# Altium PCB Graviton_11JAN15.PcbDoc (part 6 of 11) (continued)
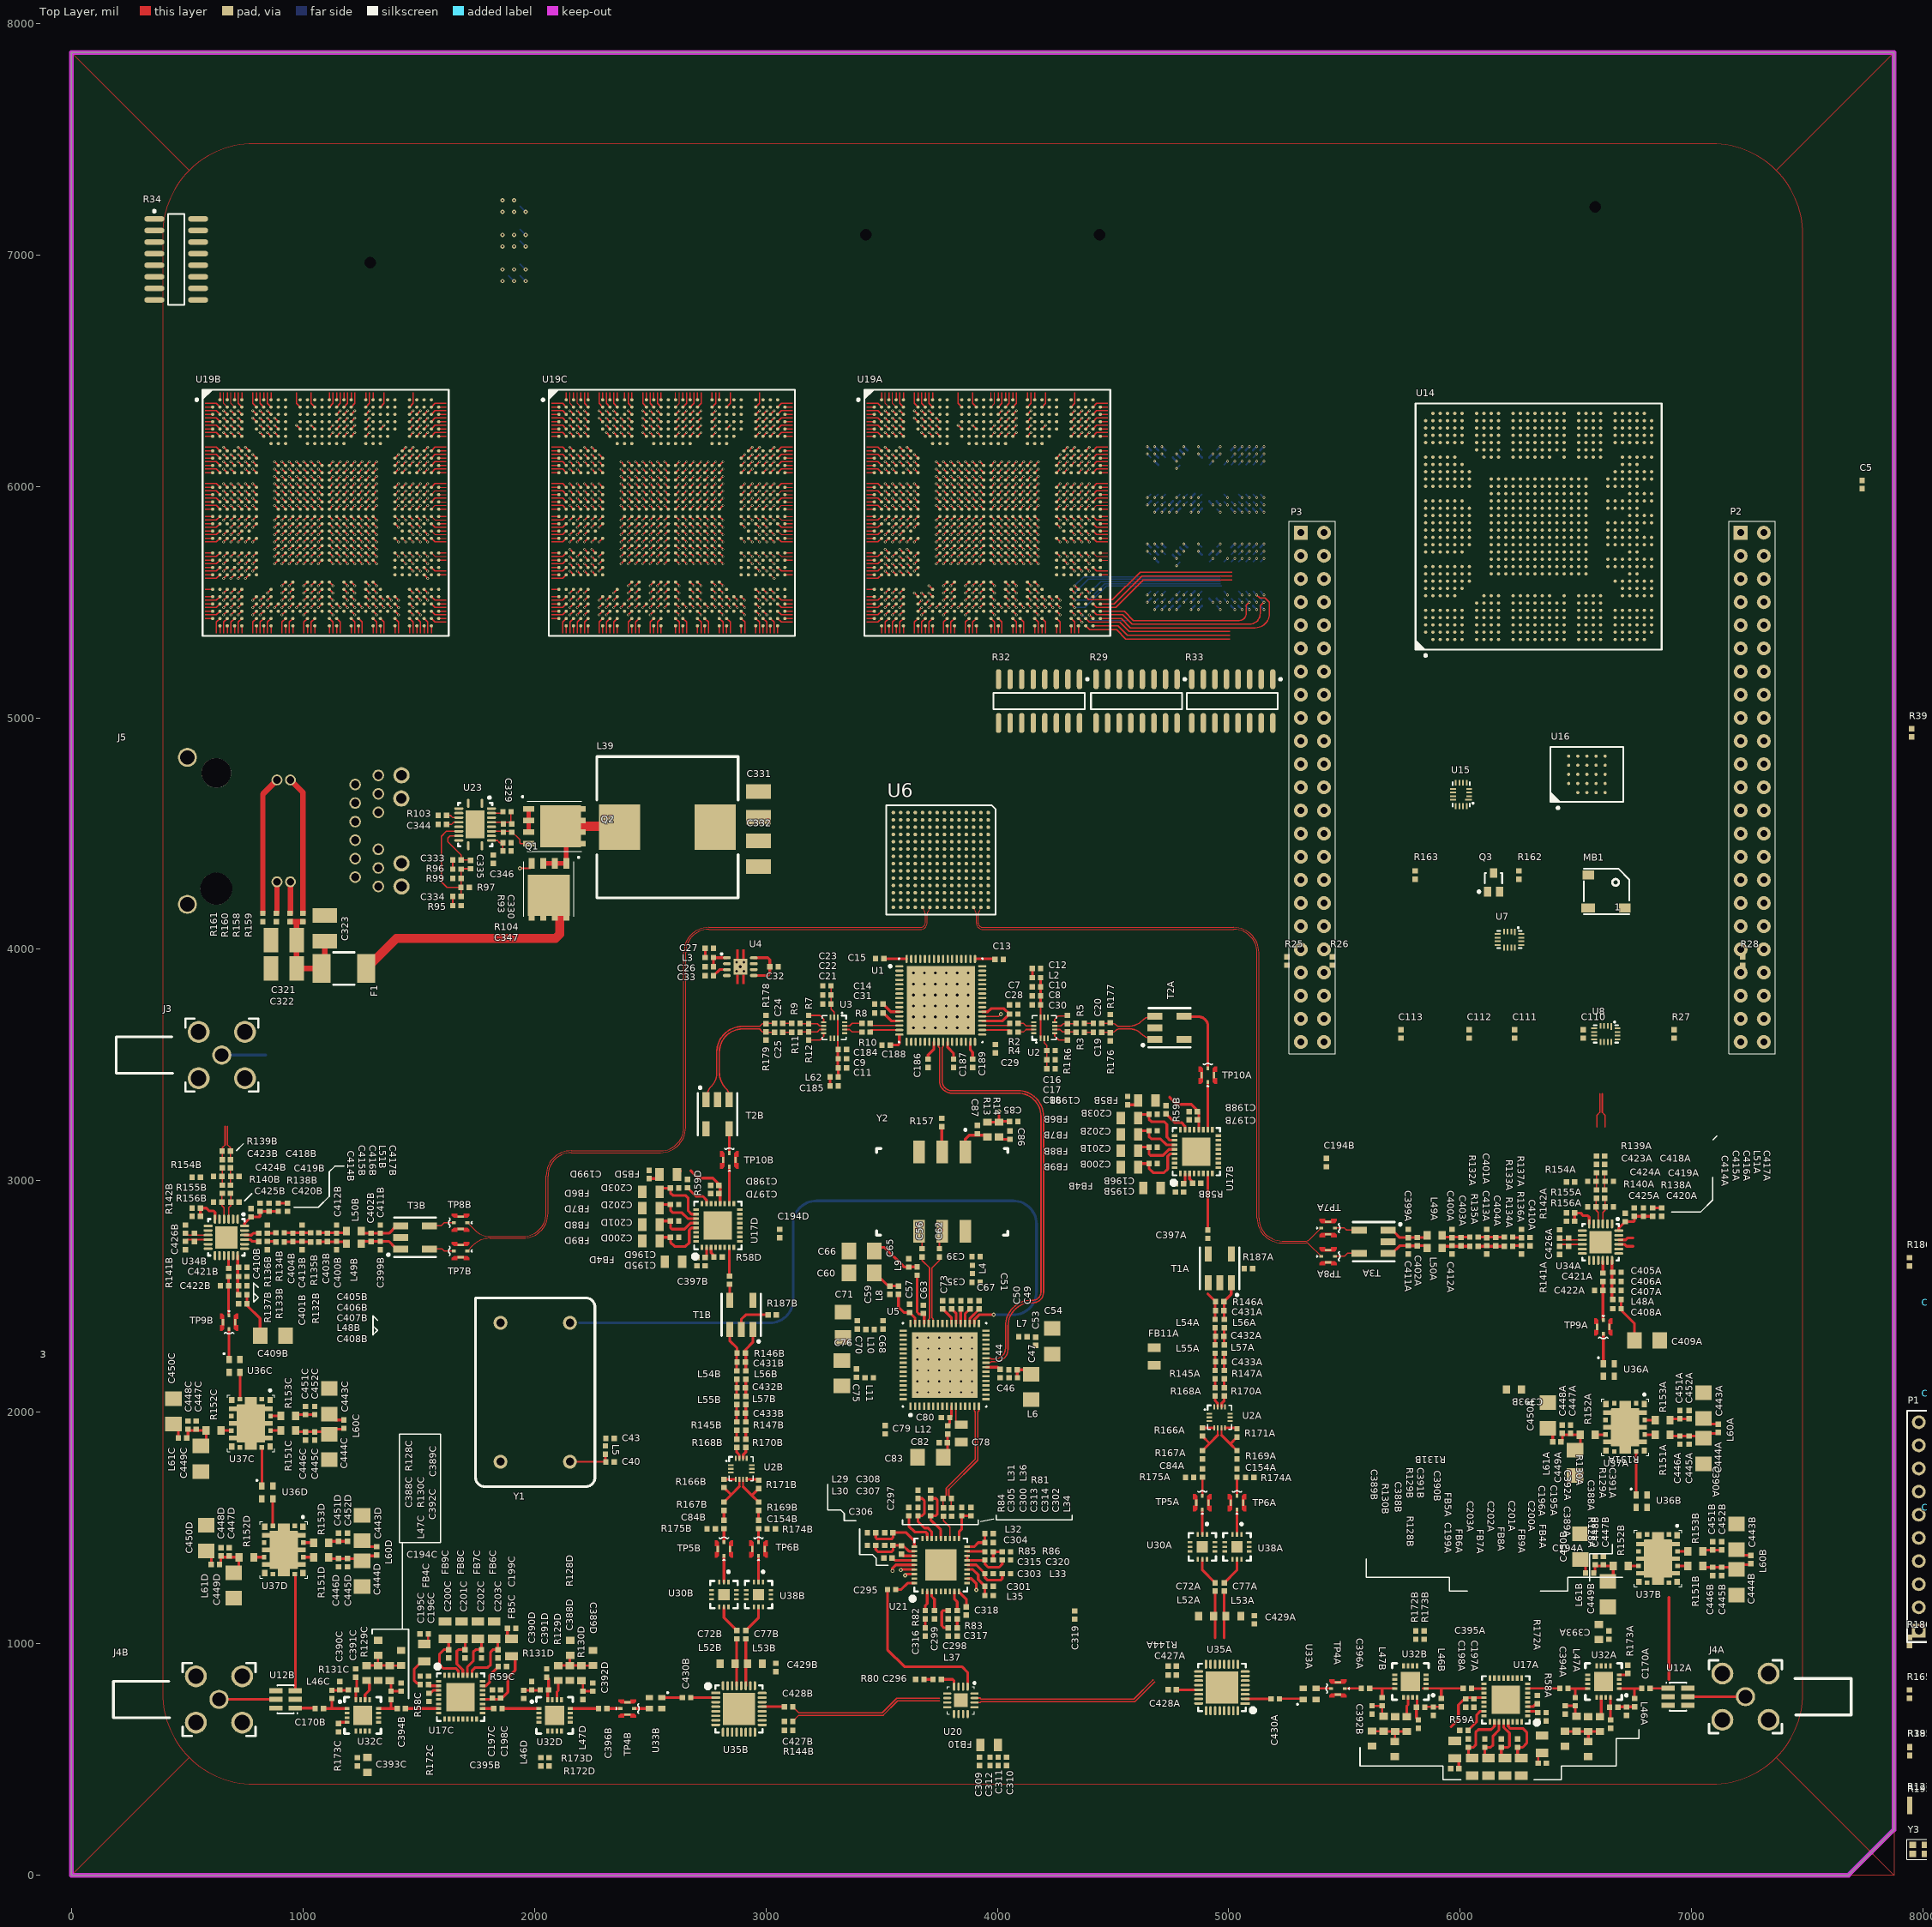
[diagram p0: Top Layer view]
## Nets (pads, with @x,y where several pads share a name; then routed paths per layer and width w, separated by ;. In a path a pad name is that pad's centre, name@x,y a point inside that pad or via, vN(x,y) a via of type N, cw(c..) or ccw(c..) an arc to the next point about the centre after c; other vN are vias at no path point) (continued)
GND: C1.1 C2.1 C3.1 C4.1 C5.1 C6.1 C7.1 C8.1 C9.1 C10.1 C11.1 C12.1 C13.1 C14.1 C15.1 C16.1 C17.1 C18.1 C21.1 C22.1 C23.1 C26.1 C27.1 C28.1 C29.1 C30.1 C31.1 C32.1 C33.1 C35.1 C36.1 C37.1 C38.1 C39.1 C40.1 C41.1 C42.1 C43.1 C44.1 C45.1 C46.1 C47.1 C48.1 C50.2 C51.1 C52.1 C53.1 C54.1 C55A.1 C55B.1 C57.1 C58.1 C59.1 C60.1 C61A.1 C61B.1 C63.1 C64.1 C65.1 C66.1 C67.2 C68.1 C69.1 C70.1 C71.1 C73.1 C74.1 C75.1 C76.1 C78.1 C79.1 C80.1 C81.1 C82.1 C83.1 C85.2 C86.2 C87.2 C88.1 C89.1 C90.1 C91.1 C92.1 C93.1 C94.1 C95.1 C96.1 C97.1 C98.1 C99.1 C100.1 C101.1 C102.1 C103.1 C104.1 C105.1 C106.1 C107.1 C108.1 C109.1 C110.1 C111.1 C112.1 C113.1 C114.1 C115.1 C116.1 C117.1 C118.1 C119.1 C120.1 C121.1 C122.1 C123.1 C124.1 C125.1 C126.1 C127.1 C128.1 C129.1 C130.1 C131.1 C132.1 C133.1 C134.1 C135.1 C136.1 C137.1 C138.1 C139.1 C140.1 C141.1 C142.1 C143.1 C144.1 C145.1 C146.1 C147.1 C148.1 C149.1 C150.1 C151.1 C152.1 C153.1 C155.1 C156.1 C157.1 C158.1 C159.1 C160.1 C161.1 C162.1 C163.1 C164.1 C165.1 C166.1 C167.1 C168.1 C169.1 C171.1 C172.1 C173.1 C174.1 C175.1 C176.1 C177.1 C178.1 C179.1 C180.1 C181.1 C182.1 C183.1 C184.1 C185.1 C186.1 C187.1 C188.1 C189.1 C194A.1 C194B.1 C194C.1 C194D.1 C195A.1 C195B.1 C195C.1 C195D.1 C196A.1 C196B.1 C196C.1 C196D.1 C197A.1 C197B.1 C197C.1 C197D.1 C198A.1 C198B.1 C198C.1 C198D.1 C199A.1 C199B.1 C199C.1 C199D.1 C200A.2 C200B.2 C200C.2 C200D.2 C201A.2 C201B.2 C201C.2 C201D.2 C202A.2 C202B.2 C202C.2 C202D.2 C203A.2 C203B.2 C203C.2 C203D.2 C204.1 C205.1 C206.1 C207.1 C208.1 C209.1 C211.1 C212.1 C213.1 C214.1 C215.1 C216.1 C217.1 C218.1 C219.1 C220.1 C221.1 C222.1 C223.1 C224.1 C225.1 C226A.1 C226B.1 C226C.1 C227A.1 C227B.1 C227C.1 C228A.1 C228B.1 C228C.1 C229A.1 C229B.1 C229C.1 C230A.1 C230B.1 C230C.1 C231A.1 C231B.1 C231C.1 C232A.1 C232B.1 C232C.1 C233A.1 C233B.1 C233C.1 C234A.1 C234B.1 C234C.1 C235A.1 C235B.1 C235C.1 C236A.1 C236B.1 C236C.1 C237A.1 C237B.1 C237C.1 C238A.1 C238B.1 C238C.1 C239A.1 C239B.1 C239C.1 C240A.1 C240B.1 C240C.1 C241A.1 C241B.1 C241C.1 C242A.1 C242B.1 C242C.1 C243A.1 C243B.1 C243C.1 C244A.1 C244B.1 C244C.1 C245A.1 C245B.1 C245C.1 C246A.1 C246B.1 C246C.1 C247A.1 C247B.1 C247C.1 C248A.1 C248B.1 C248C.1 C249A.1 C249B.1 C249C.1 C250A.1 C250B.1 C250C.1 C251A.1 C251B.1 C251C.1 C252A.1 C252B.1 C252C.1 C253A.1 C253B.1 C253C.1 C254A.1 C254B.1 C254C.1 C255A.1 C255B.1 C255C.1 C256A.1 C256B.1 C256C.1 C257A.1 C257B.1 C257C.1 C258A.1 C258B.1 C258C.1 C259A.1 C259B.1 C259C.1 C260A.1 C260B.1 C260C.1 C261A.1 C261B.1 C261C.1 C262A.1 C262B.1 C262C.1 C263A.1 C263B.1 C263C.1 C264A.1 C264B.1 C264C.1 C265A.1 C265B.1 C265C.1 C266A.1 C266B.1 C266C.1 C267A.1 C267B.1 C267C.1 C268A.1 C268B.1 C268C.1 C269A.1 C269B.1 C269C.1 C270A.1 C270B.1 C270C.1 C271A.1 C271B.1 C271C.1 C272A.1 C272B.1 C272C.1 C273A.1 C273B.1 C273C.1 C274A.1 C274B.1 C274C.1 C275A.1 C275B.1 C275C.1 C276A.1 C276B.1 C276C.1 C277A.1 C277B.1 C277C.1 C278A.1 C278B.1 C278C.1 C279A.1 C279B.1 C279C.1 C280A.1 C280B.1 C280C.1 C281A.1 C281B.1 C281C.1 C282A.1 C282B.1 C282C.1 C283A.1 C283B.1 C283C.1 C284A.1 C284B.1 C284C.1 C285A.1 C285B.1 C285C.1 C286A.1 C286B.1 C286C.1 C287A.1 C287B.1 C287C.1 C288A.1 C288B.1 C288C.1 C289A.1 C289B.1 C289C.1 C290A.1 C290B.1 C290C.1 C291A.1 C291B.1 C291C.1 C292A.1 C292B.1 C292C.1 C293A.1 C293B.1 C293C.1 C294A.1 C294B.1 C294C.1 C298.1 C299.1 C300.1 C301.1 C302.1 C303.1 C304.1 C305.1 C306.1 C307.1 C308.1 C309.1 C310.1 C311.1 C312.1 C316.2 C317.1 C318.1 C319.1 C320.1 C321.1 C322.1 C323.1 C324.1 C325.1 C326.1 C327.1 C331.1 C332.1 C336.1 C337.1 C338.1 C340.2 C341.1 C342.1 C343.1 C344.2 C345.2 C346.2 C347.2 C348.2 C349.2 C350.2 C351.1 C352.1 C353.1 C354.2 C355.1 C356.1 C357.1 C358.1 C359.1 C360.1 C361.1 C362.1 C363.1 C366.2 C367.1 C368.1 C369.1 C370.1 C371.1 C372.1 C373.1 C374.1 C375.1 C376.1 C379A.1 C379B.1 C380A.1 C380B.1 C382A.1 C382B.1 C382C.1 C382D.1 C383A.1 C383B.1 C383C.1 C383D.1 C384A.1 C384B.1 C384C.1 C384D.1 C385A.1 C385B.1 C385C.1 C385D.1 C386A.1 C386B.1 C386C.1 C386D.1 C387A.1 C387B.1 C387C.1 C387D.1 C388A.1 C388B.1 C388C.1 C388D.1 C389A.1 C389B.1 C389C.1 C389D.1 C390A.2 C390B.2 C390C.2 C390D.2 C391A.1 C391B.1 C391C.1 C391D.1 C392A.1 C392B.1 C392C.1 C392D.1 C393A.1 C393B.1 C393C.1 C393D.1 C399A.1 C399B.1 C400A.1 C400B.1 C401A.1 C401B.1 C405A.1 C405B.1 C406A.1 C406B.1 C407A.1 C407B.1 C408A.1 C408B.1 C409A.1 C409B.1 C411A.1 C411B.1 C412A.1 C412B.1 C413A.1 C413B.1 C414A.1 C414B.1 C415A.1 C415B.1 C416A.1 C416B.1 C417A.1 C417B.1 C419A.1 C419B.1 C420A.1 C420B.1 C422A.1 C422B.1 C424A.1 C424B.1 C425A.1 C425B.1 C429A.1 C429B.1 C435A.1 C435B.1 C436A.1 C436B.1 C437A.1 C437B.1 C438A.1 C438B.1 C439A.1 C439B.1 C440A.1 C440B.1 C441A.1 C441B.1 C442A.1 C442B.1 C443A.1 C443B.1 C443C.1 C443D.1 C444A.1 C444B.1 C444C.1 C444D.1 C445A.1 C445B.1 C445C.1 C445D.1 C446A.1 C446B.1 C446C.1 C446D.1 C447A.1 C447B.1 C447C.1 C447D.1 C448A.1 C448B.1 C448C.1 C448D.1 C449A.1 C449B.1 C449C.1 C449D.1 C450A.1 C450B.1 C450C.1 C450D.1 C451A.1 C451B.1 C451C.1 C451D.1 C452A.1 C452B.1 C452C.1 C452D.1 J1.1 J1.4 J1.7 J1.10 J1.11 J1.14 J1.17 J1.20 J1.21 J1.24 J1.27 J1.30 J1.31 J1.34 J1.37 J1.40 J1.41 J1.44 J1.47 J1.50 J1.51 J1.54 J1.57 J1.60 J1.61 J1.64 J1.67 J1.70 J1.71 J1.74 J1.77 J1.80 J1.81 J1.84 J1.87 J1.90 J1.91 J1.94 J1.97 J1.100 J1.101 J1.104 J1.107 J1.110 J1.111 J1.114 J1.117 J1.120 J1.121 J1.124 J1.127 J1.130 J1.131 J1.134 J1.137 J1.140 J1.141 J1.144 J1.147 J1.150 J1.151 J1.154 J1.157 J1.160 J1.161 J1.164 J1.167 J1.170 J1.171 J1.174 J1.177 J1.180 J1.181 J1.184 J1.187 J1.190 J1.191 J1.194 J1.197 J1.200 J1.201 J1.204 J1.207 J1.210 J1.211 J1.214 J1.217 J1.220 J1.221 J1.224 J1.227 J1.230 J1.231 J1.234 J1.237 J1.240 J1.241 J1.244 J1.247 J1.250 J1.251 J1.254 J1.257 J1.260 J1.261 J1.264 J1.267 J1.270 J1.271 J1.274 J1.277 J1.280 J1.281 J1.284 J1.287 J1.290 J1.291 J1.294 J1.297 J1.300 J1.301 J1.304 J1.307 J1.310 J1.311 J1.314 J1.317 J1.320 J1.321 J1.324 J1.327 J1.330 J1.331 J1.334 J1.337 J1.340 J1.341 J1.344 J1.347 J1.350 J1.351 J1.354 J1.357 J1.360 J1.361 J1.364 J1.367 J1.370 J1.371 J1.374 J1.377 J1.380 J1.381 J1.384 J1.387 J1.390 J1.391 J1.394 J1.397 J1.400 J2.1 J2.4 J2.7 J2.10 J2.11 J2.14 J2.17 J2.20 J2.21 J2.24 J2.27 J2.30 J2.31 J2.34 J2.37 J2.40 J2.41 J2.44 J2.47 J2.50 J2.51 J2.54 J2.57 J2.60 J2.61 J2.64 J2.67 J2.70 J2.71 J2.74 J2.77 J2.80 J2.81 J2.84 J2.87 J2.90 J2.91 J2.94 J2.97 J2.100 J2.101 J2.104 J2.107 J2.110 J2.111 J2.114 J2.117 J2.120 J2.121 J2.124 J2.127 J2.130 J2.131 J2.134 J2.137 J2.140 J2.141 J2.144 J2.147 J2.150 J2.151 J2.154 J2.157 J2.160 J2.161 J2.164 J2.167 J2.170 J2.171 J2.174 J2.177 J2.180 J2.181 J2.184 J2.187 J2.190 J2.191 J2.194 J2.197 J2.200 J2.201 J2.204 J2.207 J2.210 J2.211 J2.214 J2.217 J2.220 J2.221 J2.224 J2.227 J2.230 J2.231 J2.234 J2.237 J2.240 J2.241 J2.244 J2.247 J2.250 J2.251 J2.254 J2.257 J2.260 J2.261 J2.264 J2.267 J2.270 J2.271 J2.274 J2.277 J2.280 J2.281 J2.284 J2.287 J2.290 J2.291 J2.294 J2.297 J2.300 J2.301 J2.304 J2.307 J2.310 J2.311 J2.314 J2.317 J2.320 J2.321 J2.324 J2.327 J2.330 J2.331 J2.334 J2.337 J2.340 J2.341 J2.344 J2.347 J2.350 J2.351 J2.354 J2.357 J2.360 J2.361 J2.364 J2.367 J2.370 J2.371 J2.374 J2.377 J2.380 J2.381 J2.384 J2.387 J2.390 J2.391 J2.394 J2.397 J2.400 J3.2 J3.3 J3.4 J3.5 J4A.2 J4A.3 J4A.4 J4A.5 J4B.2 J4B.3 J4B.4 J4B.5 J5.21 J5.22 MB1.3 P1.7 P2.1 P2.2 P3.1 P3.2 P3.43 P3.44 P3.45 P3.46 Q2.1 Q2.2 Q2.3 Q3.2 R15.2 R16.2 R17.2 R18.2 R19.1 R20.1 R21.1 R22.1 R24.2 R28.2 R35.2 R38.2 R39.2 R50.1 R51.1 R52.1 R58A.1 R58B.1 R58C.1 R58D.1 R60.1 R61.1 R62.1 R72A.1 R72B.1 R72C.1 R76A.1 R76B.1 R76C.1 R77A.1 R77B.1 R77C.1 R78A.1 R78B.1 R78C.1 R79A.1 R79B.1 R79C.1 R80.2 R86.2 R90.1 R91.1 R92.1 R99.2 R101.1 R103.2 R104.1 R106.2 R107.2 R110.1 R116.1 R117.1 R118.1 R119.1 R124.2 R125.1 R126.1 R127.1 R136A.2 R136B.2 R137A.1 R137B.1 R141A.1 R141B.1 R142A.2 R142B.2 R143.2 R144A.2 R144B.2 R148A.1 R148B.1 R149A.2 R149B.2 R150A.1 R150B.1 R154A.2 R154B.2 R156A.2 R156B.2 R157.2 R160.1 R161.1 R172A.1 R172B.1 R172C.1 R172D.1 R173A.1 R173B.1 R173C.1 R173D.1 R174A.2 R174B.2 R175A.2 R175B.2 R176.2 R177.1 R178.2 R179.1 R181A.1 R181B.1 R184A.1 R184B.1 R188.2 R189.2 R190.2 R191.2 R192.2 R193.2 R194.2 T1A.6 T1B.6 T2A.2 T2A.6 T2B.2 T2B.6 TP4A.G TP4B.G TP5A.G TP5B.G TP6A.G TP6B.G TP7A.G TP7B.G TP8A.G TP8B.G TP9A.G TP9B.G TP10A.G TP10B.G U1.65 U2.3 U2.8 U2A.3 U2A.8 U2B.3 U2B.8 U3.3 U3.8 U4.4 U4.9 U5.65 U6.A10 U6.A13 U6.A14 U6.B10 U6.B11 U6.B12 U6.B13 U6.C5 U6.C6 U6.C7 U6.C8 U6.C9 U6.C10 U6.C13 U6.D8 U6.D13 U6.D14 U6.E8 U6.E12 U6.E13 U6.F6 U6.F7 U6.F8 U6.F9 U6.F12 U6.F13 U6.G6 U6.G7 U6.G8 U6.G9 U6.G13 U6.G14 U6.H6 U6.H7 U6.H8 U6.H9 U6.H13 U6.H14 U6.J6 U6.J7 U6.J8 U6.J9 U6.J12 U6.J13 U6.K8 U6.K13 U6.L8 U6.L13 U6.L14 U6.M5 U6.M6 U6.M7 U6.M8 U6.M9 U6.M10 U6.M11 U6.M12 U6.M13 U6.N13 U6.P13 U6.P14 U7.8 U8.8 U9.A9 U9.B1 U9.B3 U9.B9 U9.D1 U9.D8 U9.E1 U9.E2 U9.E8 U9.F9 U9.G1 U9.G8 U9.G9 U9.J2 U9.J8 U9.M1 U9.M9 U9.P1 U9.P9 U9.T1 U9.T9 U10.A9 U10.B1 U10.B3 U10.B9 U10.D1 U10.D8 U10.E1 U10.E2 U10.E8 U10.F9 U10.G1 U10.G8 U10.G9 U10.J2 U10.J8 U10.M1 U10.M9 U10.P1 U10.P9 U10.T1 U10.T9 U11A.4 U11B.4 U12A.2 U12B.2 U13.5 U13.16 U13.17 U14.AA10 U14.AA11 U14.AA22 U14.AA23 U14.AB11 U14.AB12 U14.AB13 U14.AB14 U14.AB15 U14.AB16 U14.AB17 U14.AB18 U14.AB19 U14.AB20 U14.AB21 U14.AB22 U14.AB23 U14.AC12 U14.AC13 U14.AC14 U14.AC15 U14.AC16 U14.AC17 U14.AC18 U14.AC19 U14.AC20 U14.AC21 U14.AC23 U14.AD2 U14.AD5 U14.AD28 U14.AD31 U14.AF11 U14.AF12 U14.AF14 U14.AF15 U14.AF16 U14.AF17 U14.AF19 U14.AF20 U14.AF22 U14.AF23 U14.AG9 U14.AG11 U14.AG12 U14.AG14 U14.AG15 U14.AG16 U14.AG17 U14.AG19 U14.AG20 U14.AG22 U14.AG23 U14.AH2 U14.AH5 U14.AH7 U14.AH8 U14.AH9 U14.AH11 U14.AH12 U14.AH14 U14.AH15 U14.AH16 U14.AH17 U14.AH19 U14.AH20 U14.AH22 U14.AH23 U14.AH24 U14.AH25 U14.AH26 U14.AH29 U14.AH31 U14.AJ7 U14.AJ8 U14.AJ9 U14.AJ10 U14.AJ11 U14.AJ12 U14.AJ13 U14.AJ14 U14.AJ15 U14.AJ16 U14.AJ17 U14.AJ18 U14.AJ19 U14.AJ20 U14.AJ21 U14.AJ22 U14.AJ23 U14.AJ24 U14.AJ25 U14.AJ26 U14.AK7 U14.AK8 U14.AK11 U14.AK14 U14.AK17 U14.AK20 U14.AK23 U14.AK26 U14.AL2 U14.AL5 U14.AL7 U14.AL8 U14.AL9 U14.AL11 U14.AL12 U14.AL14 U14.AL15 U14.AL17 U14.AL18 U14.AL20 U14.AL21 U14.AL23 U14.AL24 U14.AL26 U14.AL29 U14.AL31 U14.AM7 U14.AM8 U14.AM9 U14.AM11 U14.AM12 U14.AM14 U14.AM15 U14.AM17 U14.AM18 U14.AM20 U14.AM21 U14.AM23 U14.AM24 U14.AM26 U14.B2 U14.B5 U14.B9 U14.B13 U14.B15 U14.B18 U14.B20 U14.B24 U14.B28 U14.B31 U14.E2 U14.E5 U14.E9 U14.E13 U14.E15 U14.E18 U14.E20 U14.E24 U14.E28 U14.E31 U14.J2 U14.J5 U14.J28 U14.J31 U14.K10 U14.K11 U14.K12 U14.K14 U14.K15 U14.K16 U14.K17 U14.K18 U14.K19 U14.K21 U14.K22 U14.K23 U14.L10 U14.L11 U14.L12 U14.L13 U14.L14 U14.L15 U14.L16 U14.L17 U14.L18 U14.L19 U14.L20 U14.L21 U14.L22 U14.L23 U14.M10 U14.M11 U14.M22 U14.N2 U14.N5 U14.N11 U14.N13 U14.N14 U14.N15 U14.N16 U14.N17 U14.N18 U14.N19 U14.N20 U14.N22 U14.N28 U14.N31 U14.P10 U14.P11 U14.P13 U14.P14 U14.P15 U14.P16 U14.P17 U14.P18 U14.P19 U14.P20 U14.P22 U14.R2 U14.R5 U14.R10 U14.R11 U14.R13 U14.R14 U14.R15 U14.R16 U14.R17 U14.R18 U14.R19 U14.R20 U14.R22 U14.R28 U14.R31 U14.T10 U14.T11 U14.T13 U14.T14 U14.T15 U14.T16 U14.T17 U14.T18 U14.T19 U14.T20 U14.T22 U14.U10 U14.U11 U14.U13 U14.U14 U14.U15 U14.U16 U14.U17 U14.U18 U14.U19 U14.U20 U14.U22 U14.U23 U14.V2 U14.V5 U14.V10 U14.V11 U14.V13 U14.V14 U14.V15 U14.V16 U14.V17 U14.V18 U14.V19 U14.V20 U14.V22 U14.V23 U14.V28 U14.V31 U14.W10 U14.W11 U14.W13 U14.W14 U14.W15 U14.W16 U14.W17 U14.W18 U14.W19 U14.W20 U14.W22 U14.W23 U14.Y2 U14.Y11 U14.Y13 U14.Y14 U14.Y15 U14.Y16 U14.Y17 U14.Y18 U14.Y19 U14.Y20 U14.Y22 U14.Y31 U15.7 U15.8 U15.15 U16.B3 U17A.1 U17A.5 U17A.6 U17A.8 U17A.9 U17A.10 U17A.11 U17A.12 U17A.13 U17A.14 U17A.15 U17A.16 U17A.17 U17A.19 U17A.30 U17A.31 U17A.32 U17A.33 U17B.1 U17B.5 U17B.6 U17B.8 U17B.9 U17B.10 U17B.11 U17B.12 U17B.13 U17B.14 U17B.15 U17B.16 U17B.17 U17B.19 U17B.30 U17B.31 U17B.32 U17B.33 U17C.1 U17C.5 U17C.6 U17C.8 U17C.9 U17C.10 U17C.11 U17C.12 U17C.13 U17C.14 U17C.15 U17C.16 U17C.17 U17C.19 U17C.30 U17C.31 U17C.32 U17C.33 U17D.1 U17D.5 U17D.6 U17D.8 U17D.9 U17D.10 U17D.11 U17D.12 U17D.13 U17D.14 U17D.15 U17D.16 U17D.17 U17D.19 U17D.30 U17D.31 U17D.32 U17D.33 U18.10 U19A.AA11 U19A.AA22 U19A.AB11 U19A.AB12 U19A.AB13 U19A.AB14 U19A.AB15 U19A.AB16 U19A.AB17 U19A.AB18 U19A.AB19 U19A.AB20 U19A.AB21 U19A.AB22 U19A.AC12 U19A.AC13 U19A.AC14 U19A.AC15 U19A.AC16 U19A.AC17 U19A.AC18 U19A.AC19 U19A.AC20 U19A.AC21 U19A.AD2 U19A.AD5 U19A.AD28 U19A.AD31 U19A.AF11 U19A.AF12 U19A.AF14 U19A.AF15 U19A.AF16 U19A.AF17 U19A.AF19 U19A.AF20 U19A.AF22 U19A.AF23 U19A.AG9 U19A.AG11 U19A.AG12 U19A.AG14 U19A.AG15 U19A.AG16 U19A.AG17 U19A.AG19 U19A.AG20 U19A.AG22 U19A.AG23 U19A.AH2 U19A.AH5 U19A.AH7 U19A.AH8 U19A.AH9 U19A.AH11 U19A.AH12 U19A.AH14 U19A.AH15 U19A.AH16 U19A.AH17 U19A.AH19 U19A.AH20 U19A.AH22 U19A.AH23 U19A.AH24 U19A.AH25 U19A.AH26 U19A.AH29 U19A.AH31 U19A.AJ7 U19A.AJ8 U19A.AJ9 U19A.AJ10 U19A.AJ11 U19A.AJ12 U19A.AJ13 U19A.AJ14 U19A.AJ15 U19A.AJ16 U19A.AJ17 U19A.AJ18 U19A.AJ19 U19A.AJ20 U19A.AJ21 U19A.AJ22 U19A.AJ23 U19A.AJ24 U19A.AJ25 U19A.AJ26 U19A.AK7 U19A.AK8 U19A.AK11 U19A.AK14 U19A.AK17 U19A.AK20 U19A.AK23 U19A.AK26 U19A.AL2 U19A.AL5 U19A.AL7 U19A.AL8 U19A.AL9 U19A.AL11 U19A.AL12 U19A.AL14 U19A.AL15 U19A.AL17 U19A.AL18 U19A.AL20 U19A.AL21 U19A.AL23 U19A.AL24 U19A.AL26 U19A.AL29 U19A.AL31 U19A.AM7 U19A.AM8 U19A.AM9 U19A.AM11 U19A.AM12 U19A.AM14 U19A.AM15 U19A.AM17 U19A.AM18 U19A.AM20 U19A.AM21 U19A.AM23 U19A.AM24 U19A.AM26 U19A.B2 U19A.B5 U19A.B9 U19A.B13 U19A.B15 U19A.B18 U19A.B20 U19A.B24 U19A.B28 U19A.B31 U19A.E2 U19A.E5 U19A.E9 U19A.E13 U19A.E15 U19A.E18 U19A.E20 U19A.E24 U19A.E28 U19A.E31 U19A.J2 U19A.J5 U19A.J28 U19A.J31 U19A.K10 U19A.K11 U19A.K22 U19A.K23 U19A.L10 U19A.L11 U19A.L12 U19A.L13 U19A.L14 U19A.L15 U19A.L16 U19A.L17 U19A.L18 U19A.L19 U19A.L20 U19A.L21 U19A.L22 U19A.L23 U19A.M11 U19A.M22 U19A.N2 U19A.N5 U19A.N11 U19A.N13 U19A.N14 U19A.N15 U19A.N16 U19A.N17 U19A.N18 U19A.N19 U19A.N20 U19A.N22 U19A.N28 U19A.N31 U19A.P11 U19A.P13 U19A.P14 U19A.P15 U19A.P16 U19A.P17 U19A.P18 U19A.P19 U19A.P20 U19A.P22 U19A.R2 U19A.R5 U19A.R11 U19A.R13 U19A.R14 U19A.R15 U19A.R16 U19A.R17 U19A.R18 U19A.R19 U19A.R20 U19A.R22 U19A.R28 U19A.R31 U19A.T11 U19A.T13 U19A.T14 U19A.T15 U19A.T16 U19A.T17 U19A.T18 U19A.T19 U19A.T20 U19A.T22 U19A.U11 U19A.U13 U19A.U14 U19A.U15 U19A.U16 U19A.U17 U19A.U18 U19A.U19 U19A.U20 U19A.U22 U19A.V2 U19A.V5 U19A.V11 U19A.V13 U19A.V14 U19A.V15 U19A.V16 U19A.V17 U19A.V18 U19A.V19 U19A.V20 U19A.V22 U19A.V28 U19A.V31 U19A.W11 U19A.W13 U19A.W14 U19A.W15 U19A.W16 U19A.W17 U19A.W18 U19A.W19 U19A.W20 U19A.W22 U19A.Y2 U19A.Y11 U19A.Y13 U19A.Y14 U19A.Y15 U19A.Y16 U19A.Y17 U19A.Y18 U19A.Y19 U19A.Y20 U19A.Y22 U19A.Y31 U19B.AA11 U19B.AA22 U19B.AB11 U19B.AB12 U19B.AB13 U19B.AB14 U19B.AB15 U19B.AB16 U19B.AB17 U19B.AB18 U19B.AB19 U19B.AB20 U19B.AB21 U19B.AB22 U19B.AC12 U19B.AC13 U19B.AC14 U19B.AC15 U19B.AC16 U19B.AC17 U19B.AC18 U19B.AC19 U19B.AC20 U19B.AC21 U19B.AD2 U19B.AD5 U19B.AD28 U19B.AD31 U19B.AF11 U19B.AF12 U19B.AF14 U19B.AF15 U19B.AF16 U19B.AF17 U19B.AF19 U19B.AF20 U19B.AF22 U19B.AF23 U19B.AG9 U19B.AG11 U19B.AG12 U19B.AG14 U19B.AG15 U19B.AG16 U19B.AG17 U19B.AG19 U19B.AG20 U19B.AG22 U19B.AG23 U19B.AH2 U19B.AH5 U19B.AH7 U19B.AH8 U19B.AH9 U19B.AH11 U19B.AH12 U19B.AH14 U19B.AH15 U19B.AH16 U19B.AH17 U19B.AH19 U19B.AH20 U19B.AH22 U19B.AH23 U19B.AH24 U19B.AH25 U19B.AH26 U19B.AH29 U19B.AH31 U19B.AJ7 U19B.AJ8 U19B.AJ9 U19B.AJ10 U19B.AJ11 U19B.AJ12 U19B.AJ13 U19B.AJ14 U19B.AJ15 U19B.AJ16 U19B.AJ17 U19B.AJ18 U19B.AJ19 U19B.AJ20 U19B.AJ21 U19B.AJ22 U19B.AJ23 U19B.AJ24 U19B.AJ25 U19B.AJ26 U19B.AK7 U19B.AK8 U19B.AK11 U19B.AK14 U19B.AK17 U19B.AK20 U19B.AK23 U19B.AK26 U19B.AL2 U19B.AL5 U19B.AL7 U19B.AL8 U19B.AL9 U19B.AL11 U19B.AL12 U19B.AL14 U19B.AL15 U19B.AL17 U19B.AL18 U19B.AL20 U19B.AL21 U19B.AL23 U19B.AL24 U19B.AL26 U19B.AL29 U19B.AL31 U19B.AM7 U19B.AM8 U19B.AM9 U19B.AM11 U19B.AM12 U19B.AM14 U19B.AM15 U19B.AM17 U19B.AM18 U19B.AM20 U19B.AM21 U19B.AM23 U19B.AM24 U19B.AM26 U19B.B2 U19B.B5 U19B.B9 U19B.B13 U19B.B15 U19B.B18 U19B.B20 U19B.B24 U19B.B28 U19B.B31 U19B.E2 U19B.E5 U19B.E9 U19B.E13 U19B.E15 U19B.E18 U19B.E20 U19B.E24 U19B.E28 U19B.E31 U19B.J2 U19B.J5 U19B.J28 U19B.J31 U19B.K10 U19B.K11 U19B.K22 U19B.K23 U19B.L10 U19B.L11 U19B.L12 U19B.L13 U19B.L14 U19B.L15 U19B.L16 U19B.L17 U19B.L18 U19B.L19 U19B.L20 U19B.L21 U19B.L22 U19B.L23 U19B.M11 U19B.M22 U19B.N2 U19B.N5 U19B.N11 U19B.N13 U19B.N14 U19B.N15 U19B.N16 U19B.N17 U19B.N18 U19B.N19 U19B.N20 U19B.N22 U19B.N28 U19B.N31 U19B.P11 U19B.P13 U19B.P14 U19B.P15 U19B.P16 U19B.P17 U19B.P18 U19B.P19 U19B.P20 U19B.P22 U19B.R2 U19B.R5 U19B.R11 U19B.R13 U19B.R14 U19B.R15 U19B.R16 U19B.R17 U19B.R18 U19B.R19 U19B.R20 U19B.R22 U19B.R28 U19B.R31 U19B.T11 U19B.T13 U19B.T14 U19B.T15 U19B.T16 U19B.T17 U19B.T18 U19B.T19 U19B.T20 U19B.T22 U19B.U11 U19B.U13 U19B.U14 U19B.U15 U19B.U16 U19B.U17 U19B.U18 U19B.U19 U19B.U20 U19B.U22 U19B.V2 U19B.V5 U19B.V11 U19B.V13 U19B.V14 U19B.V15 U19B.V16 U19B.V17 U19B.V18 U19B.V19 U19B.V20 U19B.V22 U19B.V28 U19B.V31 U19B.W11 U19B.W13 U19B.W14 U19B.W15 U19B.W16 U19B.W17 U19B.W18 U19B.W19 U19B.W20 U19B.W22 U19B.Y2 U19B.Y11 U19B.Y13 U19B.Y14 U19B.Y15 U19B.Y16 U19B.Y17 U19B.Y18 U19B.Y19 U19B.Y20 U19B.Y22 U19B.Y31 U19C.AA11 U19C.AA22 U19C.AB11 U19C.AB12 U19C.AB13 U19C.AB14 U19C.AB15 U19C.AB16 U19C.AB17 U19C.AB18 U19C.AB19 U19C.AB20 U19C.AB21 U19C.AB22 U19C.AC12 U19C.AC13 U19C.AC14 U19C.AC15 U19C.AC16 U19C.AC17 U19C.AC18 U19C.AC19 U19C.AC20 U19C.AC21 U19C.AD2 U19C.AD5 U19C.AD28 U19C.AD31 U19C.AF11 U19C.AF12 U19C.AF14 U19C.AF15 U19C.AF16 U19C.AF17 U19C.AF19 U19C.AF20 U19C.AF22 U19C.AF23 U19C.AG9 U19C.AG11 U19C.AG12 U19C.AG14 U19C.AG15 U19C.AG16 U19C.AG17 U19C.AG19 U19C.AG20 U19C.AG22 U19C.AG23 U19C.AH2 U19C.AH5 U19C.AH7 U19C.AH8 U19C.AH9 U19C.AH11 U19C.AH12 U19C.AH14 U19C.AH15 U19C.AH16 U19C.AH17 U19C.AH19 U19C.AH20 U19C.AH22 U19C.AH23 U19C.AH24 U19C.AH25 U19C.AH26 U19C.AH29 U19C.AH31 U19C.AJ7 U19C.AJ8 U19C.AJ9 U19C.AJ10 U19C.AJ11 U19C.AJ12 U19C.AJ13 U19C.AJ14 U19C.AJ15 U19C.AJ16 U19C.AJ17 U19C.AJ18 U19C.AJ19 U19C.AJ20 U19C.AJ21 U19C.AJ22 U19C.AJ23 U19C.AJ24 U19C.AJ25 U19C.AJ26 U19C.AK7 U19C.AK8 U19C.AK11 U19C.AK14 U19C.AK17 U19C.AK20 U19C.AK23 U19C.AK26 U19C.AL2 U19C.AL5 U19C.AL7 U19C.AL8 U19C.AL9 U19C.AL11 U19C.AL12 U19C.AL14 U19C.AL15 U19C.AL17 U19C.AL18 U19C.AL20 U19C.AL21 U19C.AL23 U19C.AL24 U19C.AL26 U19C.AL29 U19C.AL31 U19C.AM7 U19C.AM8 U19C.AM9 U19C.AM11 U19C.AM12 U19C.AM14 U19C.AM15 U19C.AM17 U19C.AM18 U19C.AM20 U19C.AM21 U19C.AM23 U19C.AM24 U19C.AM26 U19C.B2 U19C.B5 U19C.B9 U19C.B13 U19C.B15 U19C.B18 U19C.B20 U19C.B24 U19C.B28 U19C.B31 U19C.E2 U19C.E5 U19C.E9 U19C.E13 U19C.E15 U19C.E18 U19C.E20 U19C.E24 U19C.E28 U19C.E31 U19C.J2 U19C.J5 U19C.J28 U19C.J31 U19C.K10 U19C.K11 U19C.K22 U19C.K23 U19C.L10 U19C.L11 U19C.L12 U19C.L13 U19C.L14 U19C.L15 U19C.L16 U19C.L17 U19C.L18 U19C.L19 U19C.L20 U19C.L21 U19C.L22 U19C.L23 U19C.M11 U19C.M22 U19C.N2 U19C.N5 U19C.N11 U19C.N13 U19C.N14 U19C.N15 U19C.N16 U19C.N17 U19C.N18 U19C.N19 U19C.N20 U19C.N22 U19C.N28 U19C.N31 U19C.P11 U19C.P13 U19C.P14 U19C.P15 U19C.P16 U19C.P17 U19C.P18 U19C.P19 U19C.P20 U19C.P22 U19C.R2 U19C.R5 U19C.R11 U19C.R13 U19C.R14 U19C.R15 U19C.R16 U19C.R17 U19C.R18 U19C.R19 U19C.R20 U19C.R22 U19C.R28 U19C.R31 U19C.T11 U19C.T13 U19C.T14 U19C.T15 U19C.T16 U19C.T17 U19C.T18 U19C.T19 U19C.T20 U19C.T22 U19C.U11 U19C.U13 U19C.U14 U19C.U15 U19C.U16 U19C.U17 U19C.U18 U19C.U19 U19C.U20 U19C.U22 U19C.V2 U19C.V5 U19C.V11 U19C.V13 U19C.V14 U19C.V15 U19C.V16 U19C.V17 U19C.V18 U19C.V19 U19C.V20 U19C.V22 U19C.V28 U19C.V31 U19C.W11 U19C.W13 U19C.W14 U19C.W15 U19C.W16 U19C.W17 U19C.W18 U19C.W19 U19C.W20 U19C.W22 U19C.Y2 U19C.Y11 U19C.Y13 U19C.Y14 U19C.Y15 U19C.Y16 U19C.Y17 U19C.Y18 U19C.Y19 U19C.Y20 U19C.Y22 U19C.Y31 U20.5 U20.16 U20.17 U21.1 U21.10 U21.27 U22.1 U22.3 U22.9 U23.9 U23.13 U23.21 U24.3 U24.4 U24.5 U24.17 U25.4 U25.8 U25.11 U26.1 U26.3 U26.9 U27.1 U27.3 U27.9 U28.1 U28.3 U28.9 U29.1 U29.3 U29.9 U30A.1 U30A.3 U30A.4 U30A.5 U30A.6 U30A.7 U30A.9 U30A.10 U30A.11 U30A.12 U30B.1 U30B.3 U30B.4 U30B.5 U30B.6 U30B.7 U30B.9 U30B.10 U30B.11 U30B.12 U31A.B1 U31B.B1 U31C.B1 U31D.B1 U32A.2 U32A.3 U32A.10 U32A.11 U32A.17 U32B.2 U32B.3 U32B.10 U32B.11 U32B.17 U32C.2 U32C.3 U32C.10 U32C.11 U32C.17 U32D.2 U32D.3 U32D.10 U32D.11 U32D.17 U33A.2 U33A.4 U33B.2 U33B.4 U34A.2 U34A.5 U34A.7 U34A.8 U34A.11 U34A.12 U34A.13 U34A.14 U34A.15 U34A.17 U34A.19 U34A.20 U34A.23 U34A.25 U34B.2 U34B.5 U34B.7 U34B.8 U34B.11 U34B.12 U34B.13 U34B.14 U34B.15 U34B.17 U34B.19 U34B.20 U34B.23 U34B.25 U35A.11 U35A.13 U35A.15 U35A.19 U35A.22 U35A.26 U35A.28 U35A.30 U35A.33 U35B.11 U35B.13 U35B.15 U35B.19 U35B.22 U35B.26 U35B.28 U35B.30 U35B.33 U36A.2 U36A.4 U36B.2 U36B.4 U36C.2 U36C.4 U36D.2 U36D.4 U37A.1 U37A.3 U37A.4 U37A.6 U37A.7 U37A.9 U37A.11 U37A.12 U37A.13 U37A.14 U37A.15 U37A.17 U37A.18 U37A.20 U37A.22 U37A.23 U37B.1 U37B.3 U37B.4 U37B.6 U37B.7 U37B.9 U37B.11 U37B.12 U37B.13 U37B.14 U37B.15 U37B.17 U37B.18 U37B.20 U37B.22 U37B.23 U37C.1 U37C.3 U37C.4 U37C.6 U37C.7 U37C.9 U37C.11 U37C.12 U37C.13 U37C.14 U37C.15 U37C.17 U37C.18 U37C.20 U37C.22 U37C.23 U37D.1 U37D.3 U37D.4 U37D.6 U37D.7 U37D.9 U37D.11 U37D.12 U37D.13 U37D.14 U37D.15 U37D.17 U37D.18 U37D.20 U37D.22 U37D.23 U38A.1 U38A.3 U38A.4 U38A.5 U38A.6 U38A.7 U38A.9 U38A.10 U38A.11 U38A.12 U38B.1 U38B.3 U38B.4 U38B.5 U38B.6 U38B.7 U38B.9 U38B.10 U38B.11 U38B.12 Y1.7 Y2.3 | length 24860.8
  Top Layer w4.72: 578.15,5507.87 625.98,5507.87 U19B.AH2@641.73,5523.62 ; 578.15,5633.86 625.98,5633.86 U19B.AD2@641.73,5649.61 ; 578.15,5759.84 625.98,5759.84 U19B.Y2@641.73,5775.59 ; 578.15,5822.83 625.98,5822.83 U19B.V2@641.73,5838.58 ; 578.15,5948.82 625.98,5948.82 U19B.R2@641.73,5933.07 ; 578.15,6011.81 625.98,6011.81 U19B.N2@641.73,5996.06 ; 578.15,6137.8 625.98,6137.8 U19B.J2@641.73,6122.05 ; 578.15,6263.78 625.98,6263.78 U19B.E2@641.73,6248.03 ; 578.15,6358.27 625.98,6358.27 U19B.B2@641.73,6342.52 ; 625.98,5365.55 625.98,5413.39 U19B.AL2@641.73,5429.13 ; 720.47,5365.55 720.47,5413.39 U19B.AL5@736.22,5429.13 ; 720.47,6406.1 720.47,6358.27 U19B.B5@736.22,6342.52 ; 783.46,5365.55 783.46,5413.39 U19B.AL7@799.21,5429.13 ; 799.21,5365.55 U19B.AM7@799.21,5397.64 ; 814.96,5365.55 814.96,5413.39 U19B.AL8@830.71,5429.13 ; 830.71,5365.55 U19B.AM8@830.71,5397.64 ; 846.46,5365.55 846.46,5413.39 U19B.AL9@862.2,5429.13 ; 846.46,6406.1 846.46,6358.27 U19B.B9@862.2,6342.52 ; 862.2,5365.55 U19B.AM9@862.2,5397.64 ; 909.45,5365.55 909.45,5413.39 U19B.AL11@925.2,5429.13 ; 925.2,5365.55 U19B.AM11@925.2,5397.64 ; 940.94,5365.55 940.94,5413.39 U19B.AL12@956.69,5429.13 ; 956.69,5365.55 U19B.AM12@956.69,5397.64 ; 972.44,6406.1 972.44,6358.27 U19B.B13@988.19,6342.52 ; 1003.94,5365.55 1003.94,5413.39 U19B.AL14@1019.68,5429.13 ; 1019.68,5365.55 U19B.AM14@1019.68,5397.64 ; 1035.43,5365.55 1035.43,5413.39 U19B.AL15@1051.18,5429.13 ; 1035.43,6406.1 1035.43,6358.27 U19B.B15@1051.18,6342.52 ; 1051.18,5365.55 U19B.AM15@1051.18,5397.64 ; 1114.17,5365.55 U19B.AM17@1114.17,5397.64 ; U19B.AL17@1114.17,5429.13 1129.92,5413.39 1129.92,5365.55 ; 1145.67,5365.55 U19B.AM18@1145.67,5397.64 ; U19B.AL18@1145.67,5429.13 1161.42,5413.39 1161.42,5365.55 ; U19B.B18@1145.67,6342.52 1161.42,6358.27 1161.42,6406.1 ; 1208.66,5365.55 U19B.AM20@1208.66,5397.64 ; U19B.AL20@1208.66,5429.13 1224.41,5413.39 1224.41,5365.55 ; U19B.B20@1208.66,6342.52 1224.41,6358.27 1224.41,6406.1 ; 1240.16,5365.55 U19B.AM21@1240.16,5397.64 ; U19B.AL21@1240.16,5429.13 1255.91,5413.39 1255.91,5365.55 ; 1303.15,5365.55 U19B.AM23@1303.15,5397.64 ; U19B.AL23@1303.15,5429.13 1318.9,5413.39 1318.9,5365.55 ; 1334.65,5365.55 U19B.AM24@1334.65,5397.64 ; U19B.AL24@1334.65,5429.13 1350.39,5413.39 1350.39,5365.55 ; U19B.B24@1334.65,6342.52 1350.39,6358.27 1350.39,6406.1 ; 1397.64,5365.55 U19B.AM26@1397.64,5397.64 ; U19B.AL26@1397.64,5429.13 1413.39,5413.39 1413.39,5365.55 ; U19B.B28@1460.63,6342.52 1476.38,6358.27 1476.38,6406.1 ; U19B.AL29@1492.13,5429.13 1507.87,5413.39 1507.87,5365.55 ; U19B.AL31@1555.12,5429.13 1570.87,5413.39 1618.7,5413.39 ; U19B.AH31@1555.12,5523.62 1570.87,5507.87 1618.7,5507.87 ; U19B.AD31@1555.12,5649.61 1570.87,5633.86 1618.7,5633.86 ; U19B.Y31@1555.12,5775.59 1570.87,5759.84 1618.7,5759.84 ; U19B.V31@1555.12,5838.58 1570.87,5822.83 1618.7,5822.83 ; U19B.R31@1555.12,5933.07 1570.87,5948.82 1618.7,5948.82 ; U19B.N31@1555.12,5996.06 1570.87,6011.81 1618.7,6011.81 ; U19B.J31@1555.12,6122.05 1570.87,6137.8 1618.7,6137.8 ; U19B.E31@1555.12,6248.03 1570.87,6263.78 1618.7,6263.78 ; U19B.B31@1555.12,6342.52 1570.87,6358.27 1618.7,6358.27 ; 2074.21,5507.87 2122.05,5507.87 U19C.AH2@2137.8,5523.62 ; 2074.21,5633.86 2122.05,5633.86 U19C.AD2@2137.8,5649.61 ; 2074.21,5759.84 2122.05,5759.84 U19C.Y2@2137.8,5775.59 ; 2074.21,5822.83 2122.05,5822.83 U19C.V2@2137.8,5838.58 ; 2074.21,5948.82 2122.05,5948.82 U19C.R2@2137.8,5933.07 ; 2074.21,6011.81 2122.05,6011.81 U19C.N2@2137.8,5996.06 ; 2074.21,6137.8 2122.05,6137.8 U19C.J2@2137.8,6122.05 ; 2074.21,6263.78 2122.05,6263.78 U19C.E2@2137.8,6248.03 ; 2074.21,6358.27 2122.05,6358.27 U19C.B2@2137.8,6342.52 ; 2122.05,5365.55 2122.05,5413.39 U19C.AL2@2137.8,5429.13 ; 2216.54,5365.55 2216.54,5413.39 U19C.AL5@2232.28,5429.13 ; 2216.54,6406.1 2216.54,6358.27 U19C.B5@2232.28,6342.52 ; 2279.53,5365.55 2279.53,5413.39 U19C.AL7@2295.28,5429.13 ; 2295.28,5365.55 U19C.AM7@2295.28,5397.64 ; 2311.02,5365.55 2311.02,5413.39 U19C.AL8@2326.77,5429.13 ; 2326.77,5365.55 U19C.AM8@2326.77,5397.64 ; 2342.52,5365.55 2342.52,5413.39 U19C.AL9@2358.27,5429.13 ; 2342.52,6406.1 2342.52,6358.27 U19C.B9@2358.27,6342.52 ; 2358.27,5365.55 U19C.AM9@2358.27,5397.64 ; 2405.51,5365.55 2405.51,5413.39 U19C.AL11@2421.26,5429.13 ; 2421.26,5365.55 U19C.AM11@2421.26,5397.64 ; 2437.01,5365.55 2437.01,5413.39 U19C.AL12@2452.76,5429.13 ; 2452.76,5365.55 U19C.AM12@2452.76,5397.64 ; 2468.5,6406.1 2468.5,6358.27 U19C.B13@2484.25,6342.52 ; 2500,5365.55 2500,5413.39 U19C.AL14@2515.75,5429.13 ; 2515.75,5365.55 U19C.AM14@2515.75,5397.64 ; 2531.5,5365.55 2531.5,5413.39 U19C.AL15@2547.24,5429.13 ; 2531.5,6406.1 2531.5,6358.27 U19C.B15@2547.24,6342.52 ; 2547.24,5365.55 U19C.AM15@2547.24,5397.64 ; 2610.24,5365.55 U19C.AM17@2610.24,5397.64 ; U19C.AL17@2610.24,5429.13 2625.98,5413.39 2625.98,5365.55 ; 2641.73,5365.55 U19C.AM18@2641.73,5397.64 ; U19C.AL18@2641.73,5429.13 2657.48,5413.39 2657.48,5365.55 ; U19C.B18@2641.73,6342.52 2657.48,6358.27 2657.48,6406.1 ; 2704.72,5365.55 U19C.AM20@2704.72,5397.64 ; U19C.AL20@2704.72,5429.13 2720.47,5413.39 2720.47,5365.55 ; U19C.B20@2704.72,6342.52 2720.47,6358.27 2720.47,6406.1 ; 2736.22,5365.55 U19C.AM21@2736.22,5397.64 ; U19C.AL21@2736.22,5429.13 2751.97,5413.39 2751.97,5365.55 ; 2799.21,5365.55 U19C.AM23@2799.21,5397.64 ; U19C.AL23@2799.21,5429.13 2814.96,5413.39 2814.96,5365.55 ; 2830.71,5365.55 U19C.AM24@2830.71,5397.64 ; U19C.AL24@2830.71,5429.13 2846.46,5413.39 2846.46,5365.55 ; U19C.B24@2830.71,6342.52 2846.46,6358.27 2846.46,6406.1 ; 2893.7,5365.55 U19C.AM26@2893.7,5397.64 ; U19C.AL26@2893.7,5429.13 2909.45,5413.39 2909.45,5365.55 ; U19C.B28@2956.69,6342.52 2972.44,6358.27 2972.44,6406.1 ; U19C.AL29@2988.19,5429.13 3003.94,5413.39 3003.94,5365.55 ; U19C.AL31@3051.18,5429.13 3066.93,5413.39 3114.76,5413.39 ; U19C.AH31@3051.18,5523.62 3066.93,5507.87 3114.76,5507.87 ; U19C.AD31@3051.18,5649.61 3066.93,5633.86 3114.76,5633.86 ; U19C.Y31@3051.18,5775.59 3066.93,5759.84 3114.76,5759.84 ; U19C.V31@3051.18,5838.58 3066.93,5822.83 3114.76,5822.83 ; U19C.R31@3051.18,5933.07 3066.93,5948.82 3114.76,5948.82 ; U19C.N31@3051.18,5996.06 3066.93,6011.81 3114.76,6011.81 ; U19C.J31@3051.18,6122.05 3066.93,6137.8 3114.76,6137.8 ; U19C.E31@3051.18,6248.03 3066.93,6263.78 3114.76,6263.78 ; U19C.B31@3051.18,6342.52 3066.93,6358.27 3114.76,6358.27 ; 3436.42,5413.39 3484.25,5413.39 U19A.AL2@3500,5429.13 ; 3436.42,5507.87 3484.25,5507.87 U19A.AH2@3500,5523.62 ; 3436.42,5633.86 3484.25,5633.86 U19A.AD2@3500,5649.61 ; 3436.42,5759.84 3484.25,5759.84 U19A.Y2@3500,5775.59 ; 3436.42,5822.83 3484.25,5822.83 U19A.V2@3500,5838.58 ; 3436.42,5948.82 3484.25,5948.82 U19A.R2@3500,5933.07 ; 3436.42,6011.81 3484.25,6011.81 U19A.N2@3500,5996.06 ; 3436.42,6137.8 3484.25,6137.8 U19A.J2@3500,6122.05 ; 3436.42,6263.78 3484.25,6263.78 U19A.E2@3500,6248.03 ; 3436.42,6358.27 3484.25,6358.27 U19A.B2@3500,6342.52 ; 3578.74,5365.55 3578.74,5413.39 U19A.AL5@3594.49,5429.13 ; 3578.74,6406.1 3578.74,6358.27 U19A.B5@3594.49,6342.52 ; 3641.73,5365.55 3641.73,5413.39 U19A.AL7@3657.48,5429.13 ; 3657.48,5365.55 U19A.AM7@3657.48,5397.64 ; 3673.23,5365.55 3673.23,5413.39 U19A.AL8@3688.98,5429.13 ; 3688.98,5365.55 U19A.AM8@3688.98,5397.64 ; 3704.72,5365.55 3704.72,5413.39 U19A.AL9@3720.47,5429.13 ; 3704.72,6406.1 3704.72,6358.27 U19A.B9@3720.47,6342.52 ; 3720.47,5365.55 U19A.AM9@3720.47,5397.64 ; 3767.72,5365.55 3767.72,5413.39 U19A.AL11@3783.46,5429.13 ; 3783.46,5365.55 U19A.AM11@3783.46,5397.64 ; 3799.21,5365.55 3799.21,5413.39 U19A.AL12@3814.96,5429.13 ; 3814.96,5365.55 U19A.AM12@3814.96,5397.64 ; 3830.71,6406.1 3830.71,6358.27 U19A.B13@3846.46,6342.52 ; 3862.2,5365.55 3862.2,5413.39 U19A.AL14@3877.95,5429.13 ; 3877.95,5365.55 U19A.AM14@3877.95,5397.64 ; 3893.7,5365.55 3893.7,5413.39 U19A.AL15@3909.45,5429.13 ; 3893.7,6406.1 3893.7,6358.27 U19A.B15@3909.45,6342.52 ; 3909.45,5365.55 U19A.AM15@3909.45,5397.64 ; 3972.44,5365.55 U19A.AM17@3972.44,5397.64 ; U19A.AL17@3972.44,5429.13 3988.19,5413.39 3988.19,5365.55 ; 4003.94,5365.55 U19A.AM18@4003.94,5397.64 ; U19A.AL18@4003.94,5429.13 4019.68,5413.39 4019.68,5365.55 ; U19A.B18@4003.94,6342.52 4019.68,6358.27 4019.68,6406.1 ; 4066.93,5365.55 U19A.AM20@4066.93,5397.64 ; U19A.AL20@4066.93,5429.13 4082.68,5413.39 4082.68,5365.55 ; U19A.B20@4066.93,6342.52 4082.68,6358.27 4082.68,6406.1 ; 4098.43,5365.55 U19A.AM21@4098.43,5397.64 ; U19A.AL21@4098.43,5429.13 4114.17,5413.39 4114.17,5365.55 ; 4161.42,5365.55 U19A.AM23@4161.42,5397.64 ; U19A.AL23@4161.42,5429.13 4177.17,5413.39 4177.17,5365.55 ; 4192.91,5365.55 U19A.AM24@4192.91,5397.64 ; U19A.AL24@4192.91,5429.13 4208.66,5413.39 4208.66,5365.55 ; U19A.B24@4192.91,6342.52 4208.66,6358.27 4208.66,6406.1 ; 4255.91,5365.55 U19A.AM26@4255.91,5397.64 ; U19A.AL26@4255.91,5429.13 4271.65,5413.39 4271.65,5365.55 ; U19A.B28@4318.9,6342.52 4334.65,6358.27 4334.65,6406.1 ; U19A.AD31@4413.39,5649.61 4429.13,5633.86 4476.97,5633.86 ; U19A.Y31@4413.39,5775.59 4429.13,5759.84 4476.97,5759.84 ; U19A.V31@4413.39,5838.58 4429.13,5822.83 4476.97,5822.83 ; U19A.R31@4413.39,5933.07 4429.13,5948.82 4476.97,5948.82 ; U19A.N31@4413.39,5996.06 4429.13,6011.81 4476.97,6011.81 ; U19A.J31@4413.39,6122.05 4429.13,6137.8 4476.97,6137.8 ; U19A.E31@4413.39,6248.03 4429.13,6263.78 4476.97,6263.78 ; U19A.B31@4413.39,6342.52 4429.13,6358.27 4476.97,6358.27